# Altium PCB A540R260_Arm600Prototype.PcbDoc (part 2 of 2)
Units mil, origin at the board's own origin, x right, y up, seen from the top; angles counter-clockwise.
Board outline 6306 x 2370 mil, 4 copper layers (Top Layer, 5V, GND, Bottom Layer), stack 68.548 mil thick; 114 components, 208 nets, 616 pads, 195 vias.
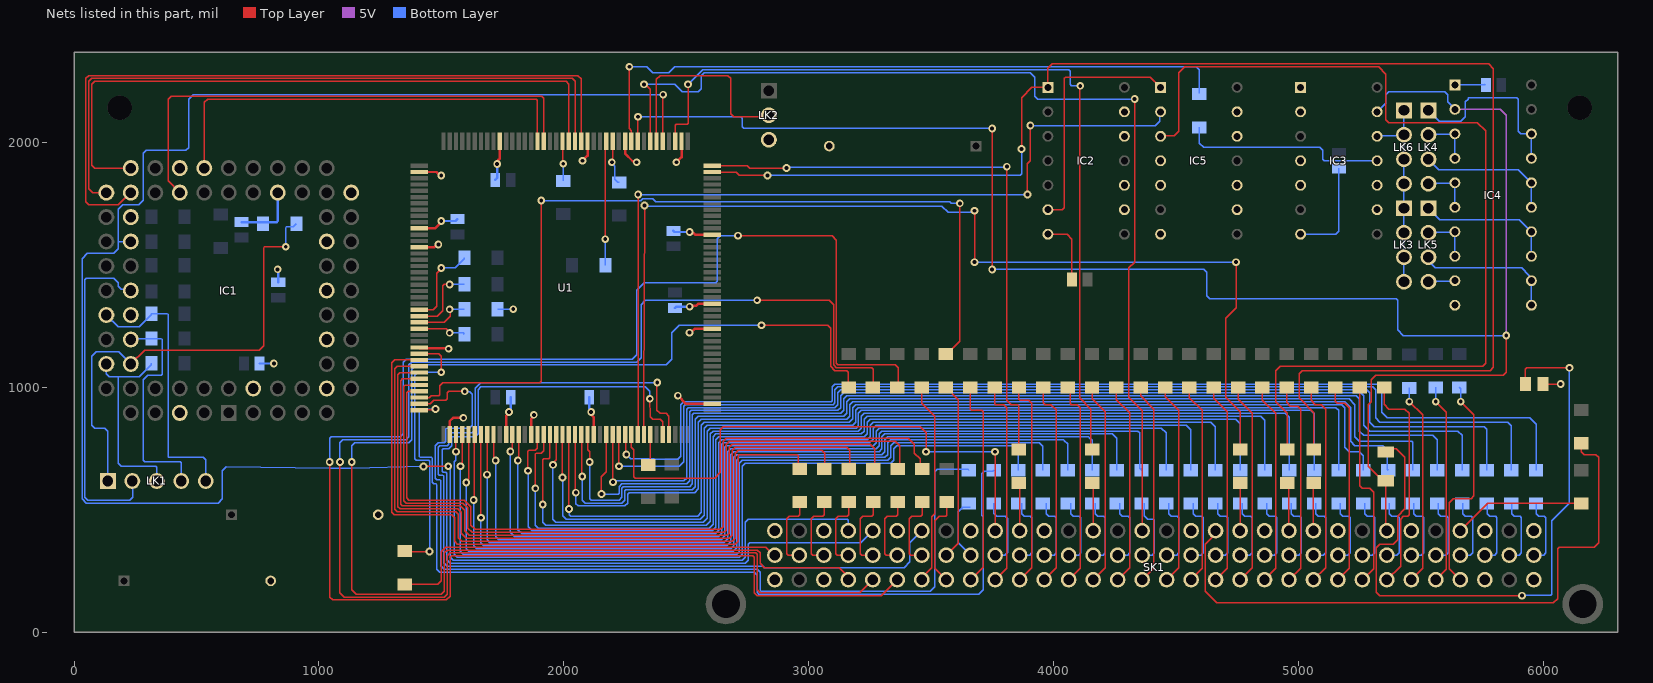
[diagram p4: the nets of this part, all layers, seen from the top]

## Via types
v1: diameter 31.5, hole 15.75, Top Layer to Bottom Layer, 195 vias

## Nets (pads, with @x,y where several pads share a name; then routed paths per layer and width w, separated by ;. In a path a pad name is that pad's centre, name@x,y a point inside that pad or via, vN(x,y) a via of type N, cw(c..) or ccw(c..) an arc to the next point about the centre after c; other vN are vias at no path point) (continued)
CpD30: IC1.37 U1.25 | length 1804.1
  Top Layer w6: IC1.37@532,1896 532,2164 546,2178 1887,2178 1892.64,2172.36 U1.25@1892.64,2005
CpD31: IC1.40 U1.24 | length 2121.3
  Top Layer w6: IC1.40@432,1796 384,1844 384,2178 396,2190 1910,2190 1918.23,2181.77 U1.24@1918.23,2005
CPe: R84.1 U1.21 | length 162.3
  Top Layer w6: U1.21@1995,2005 1996.5,2003.5 1996.5,1915.5 v1(1998,1914)
  Bottom Layer w6: R84.1@1998,1843.91 v1(1998,1914)
CPi: IC1.44 U1.19 | length 2757.6
  Top Layer w6: IC1.44@132,1796 76,1796 60,1812 60,2250 72,2262 2034,2262 2046.18,2249.82 U1.19@2046.18,2005
CPopc: IC1.43 U1.20 | length 2687.3
  Top Layer w6: IC1.43@232,1896 84,1896 72,1908 72,2238 84,2250 2010,2250 2020.59,2239.41 U1.20@2020.59,2005
CPspv: IC1.45 U1.18 | length 3003.4
  Top Layer w6: IC1.45@232,1796 230,1796 180,1746 60,1746 48,1758 48,2262 60,2274 2058,2274 2071.77,2260.23 U1.18@2071.77,2005
CPTCK: IC1.54 LK1.5 R75.1 | length 1125.2
  Bottom Layer w6: IC1.54@132,1296 180,1248 267.01,1248 316.09,1297.08 R75.1@316.09,1302 380.49,1302 384,1298.49 384,717.51 387.51,714 528,714 538,704 LK1.5@538,618
CPTDI: IC1.58 LK1.3 R73.1 | length 828.9
  Bottom Layer w6: IC1.58@132,1096 132,1056 144,1044 180,1044 ; R73.1@316.09,1098 316.09,1093.08 267.01,1044 180,1044 ; LK1.3@338,618 338,674 334,678 192,678 180,690 180,1044
CPTDO: IC1.53 LK1.2 | length 1379.8
  Bottom Layer w6: IC1.53@232,1396 226.49,1401.51 192,1401.51 180,1413.51 180,1428 162,1446 50.62,1446 44.62,1440 44.62,550.97 55.59,540 228,540 240,552 240,616 LK1.2@238,618
CPTMS: IC1.57 LK1.4 R74.1 | length 925.4
  Bottom Layer w6: IC1.57@232,1196 236,1200 R74.1@316.09,1200 356.49,1200 360,1196.49 360,1053.51 356.49,1050 300,1050 282,1032 282,702 288,696 434.49,696 438,692.49 LK1.4@438,618
CPTRST: IC1.59 LK1.1 R77.2 | length 1940.8
  Top Layer w6: IC1.59@232,1096 288,1152 756,1152 774,1170 774,1571.13 777.51,1574.64 v1(864.64,1574.64)
  Bottom Layer w6: LK1.1@138,618 138,822 126,834 84,834 72,846 72,1128 90,1146 182,1146 IC1.59@232,1096 ; v1@864,1578 864,1652.49 867.51,1656 895.91,1656 R77.2@907.91,1668
CPwt: R82.1 U1.14 | length 506.8
  Top Layer w6: v1(2169.83,1605.83) 2169.83,2000.69 U1.14@2174.13,2005
  Bottom Layer w6: R82.1@2169.83,1500 v1(2169.83,1605.83)
D0: R43.2 U1.71 | length 1150.9
  Top Layer w6: R43.2@1350,331.91 1351.91,330 v1(1452,330) ; U1.71@1409.37,1137.87 1490.13,1137.87 1500,1128 v1(1500,1062)
  Bottom Layer w6: v1(1452,330) 1452,698.49 1448.49,702 1398,702 1392,708 1392,1044 1392,1050 1404,1062 v1(1500,1062)
D1: R12.2 U1.72 | length 2911.7
  Top Layer w6: U1.72@1409.37,1112.28 1310.28,1112.28 1298.28,1100.28 1298.28,489.72 1308,480 1542,480 1554,468 1554,372 1566,360 2700,360 2712,372 2712,722.49 2715.51,726 2954.49,726 2958,722.49 2958,673.91 R12.2@2964,667.91
D2: R48.2 U1.73 | length 2970.6
  Top Layer w6: U1.73@1409.37,1086.69 1320.69,1086.69 1310.28,1076.28 1310.28,501.72 1320,492 1560,492 1569.51,482.49 1569.51,386.49 1584,372 2688,372 2700,384 2700,732 2712,744 3054,744 3066,732 R48.2@3066,667.91
D3: R16.2 U1.74 | length 3018
  Top Layer w6: U1.74@1409.37,1061.1 1331.1,1061.1 1322.28,1052.28 1322.28,513.72 1332,504 1567.76,504 1581.51,490.24 1581.51,404.49 1602,384 2676,384 2688,396 2688,744 2700,756 3156,756 3168,744 R16.2@3168,667.91
D4: R54.2 U1.75 | length 3069.8
  Top Layer w6: U1.75@1409.37,1035.51 1341.51,1035.51 1334.28,1028.28 1334.28,523.03 1337.8,519.51 1338,519.51 1341.51,516 1578,516 1596,498 1596,414 1614,396 2666.49,396 2676,405.51 2676,756 2688,768 3252,768 3270,750 R54.2@3270,667.91
D5: R20.2 U1.76 | length 3120.4
  Top Layer w6: U1.76@1409.37,1009.92 1351.92,1009.92 1346.28,1004.28 1346.28,537.72 1356,528 1587.94,528 1608,507.94 1608,426 1626,408 2654.49,408 2664,417.51 2664,768 2676,780 3354,780 3372,762 R20.2@3372,667.91
D6: R58.2 U1.77 | length 3138.5
  Top Layer w6: U1.77@1409.37,984.33 1364.94,984.33 1358.28,977.68 1358.28,549.72 1368,540 1592.91,540 1620,512.91 1620,438 1638,420 2640,420 2652,432 2652,780 2664,792 3408,792 3432,768 3432,732 3456,708 3456,685.91 R58.2@3474,667.91
D7: R25.2 U1.78 | length 3650.8
  Top Layer w6: U1.78@1409.37,958.74 1450.74,958.74 1458,966 1490.49,966 1494,969.51 1494,1008 1506,1020 1902,1020 1908,1026 v1(1908,1764) ; R25.2@3561.29,1135.91 3566.21,1135.91 3606,1175.71 3606,1176 3618.16,1188.16 3618.16,1751.84 v1(3618,1752)
  Bottom Layer w6: v1(1908,1764) 1908.75,1763.25 2315.25,1763.25 2322.79,1770.79 2363.21,1770.79 2376,1758 3576,1758 3582,1752 v1(3618,1752)
D8: R18.2 U1.79 | length 3828.7
  Top Layer w6: U1.79@1409.37,933.15 1455.15,933.15 1470,948 1518,948 1524,954 1524,978 1530,984 v1(1596,984)
  Bottom Layer w6: v1(1596,984) 1598.5,981.5 1616.5,981.5 1626,972 1626,846 1614,834 1521.51,834 1518,830.49 1518,780 1512,774 1488,774 1476,762 1476,630 1482,624 1493.87,624 1497.38,620.49 1497.38,272.62 1512,258 2790,258 2802,246 2802,171.51 2805.51,168 3498,168 3516,186 3516,655 3526,665 3651.91,665 R18.2@3655,661.91
D9: R31.2 U1.80 | length 3697
  Top Layer w6: U1.80@1409.37,907.56 1411.59,909.78 1473.78,909.78 v1(1476,912)
  Bottom Layer w6: v1(1476,912) 1422,912 1410,900 1410,717.51 1413.51,714 1460.49,714 1464,710.49 1464,612 1470,606 1478.49,606 1482,602.49 1482,258 1494,246 2778,246 2790,234 2790,163.03 2797.03,156 3696,156 3714,174 3714,472 3708,478 3708,648 3718,658 3751.8,658 R31.2@3755.71,661.91
D10: R22.2 U1.83 | length 3319
  Top Layer w6: v1(1560,738) U1.83@1559.96,808.15
  Bottom Layer w6: v1(1560,738) 1560,702.8 1553.25,696.05 1553.25,318.75 1566,306 2718,306 2730,318 2730,678 2742,690 3336,690 3348,702 3348,750 3360,762 3840,762 3856.42,745.58 R22.2@3856.42,661.91
D11: R37.2 U1.84 | length 3397.7
  Top Layer w6: v1(1578,678) 1578,684.9 1585.55,692.45 U1.84@1585.55,808.15
  Bottom Layer w6: v1(1578,678) 1577.25,677.25 1577.25,330.75 1590,318 2706,318 2718,330 2718,690 2730,702 3324,702 3336,714 3336,762 3348,774 3943,774 3957.13,759.87 R37.2@3957.13,661.91
D12: R27.2 U1.85 | length 3471.4
  Top Layer w6: v1(1602,612) 1602,618.9 1611.14,628.04 U1.85@1611.14,808.15
  Bottom Layer w6: v1(1602,612) 1602,342 1614,330 2690.49,330 2706,345.51 2706,702 2718,714 3312,714 3324,726 3324,774 3336,786 4042,786 4044.98,783.02 4057.84,770.16 R27.2@4057.84,661.91
D13: R42.2 U1.86 | length 3543.1
  Top Layer w6: v1(1632,540) 1634.37,542.37 1634.37,805.78 U1.86@1636.73,808.15
  Bottom Layer w6: v1(1632,540) 1632,354 1644,342 2682,342 2694,354 2694,714 2706,726 3300,726 3312,738 3312,786 3324,798 4144,798 4146.98,795.02 4158.55,783.45 R42.2@4158.55,661.91
D14: R33.2 U1.87 | length 3607.7
  Top Layer w6: v1(1662,468) 1662.16,468.16 1662.16,807.99 U1.87@1662.32,808.15
  Bottom Layer w6: v1(1662,468) 1662,366 1674,354 2666.49,354 2682,369.51 2682,726 2694,738 3288,738 3300,750 3300,798 3312,810 4241,810 4259.26,791.74 R33.2@4259.26,661.91
D15: R47.2 U1.88 | length 3686
  Top Layer w6: v1@1687.91,643.91 U1.88@1687.91,808.15
  Bottom Layer w6: v1(1687,644.07) 1687,377 1698,366 2654.49,366 2670,381.51 2670,738 2682,750 3276,750 3288,762 3288,810 3300,822 4345,822 4352,815 4352,669.89 R47.2@4359.97,661.91
D16: R39.2 U1.89 | length 3755.2
  Top Layer w6: U1.89@1713.5,808.15 1713.5,717.4 1722,708.9 v1(1722,702)
  Bottom Layer w6: v1(1722,702) 1722,390 1734,378 2642.49,378 2658,393.51 2658,756 2664,762 3264,762 3276,774 3276,822 3288,834 4441,834 4460.69,814.31 R39.2@4460.69,661.91
D17: R53.2 U1.92 | length 3791
  Top Layer w6: v1@1782,738 1790.28,746.28 U1.92@1790.28,808.15
  Bottom Layer w6: v1(1782.16,738.04) 1782.16,407.84 1800,390 2630.49,390 2646,405.51 2646,768 2652,774 3248.49,774 3264,789.51 3264,834 3276,846 4543,846 4561.4,827.6 R53.2@4561.4,661.91
D18: R44.2 U1.93 | length 3857.5
  Top Layer w6: v1@1812,702 1815.87,705.87 U1.93@1815.87,808.15
  Bottom Layer w6: v1(1812.69,701.77) 1812.69,419.31 1830,402 2618.49,402 2634,417.51 2634,774 2646,786 3240,786 3252,798 3252,846 3264,858 4643,858 4662.11,838.89 R44.2@4662.11,661.91
D19: R13.2 U1.96 | length 3946.5
  Top Layer w6: v1@1854,660 1854,739.03 1858.97,744 1884,744 1892.64,752.64 U1.96@1892.64,808.15
  Bottom Layer w6: v1(1854.16,660.04) 1854.16,431.84 1872,414 2606.49,414 2622,429.51 2622,786 2634,798 3228,798 3240,810 3240,858 3252,870 4745,870 4762.82,852.18 R13.2@4762.82,661.91
D20: R49.2 U1.97 | length 4017
  Top Layer w6: v1@1884,588 1884,728.49 1887.51,732 1908,732 1918.23,742.23 U1.97@1918.23,808.15
  Bottom Layer w6: v1(1884.16,588.04) 1884.16,437.84 1896,426 2594.49,426 2610,441.51 2610,798 2622,810 3216,810 3228,822 3228,870 3240,882 4847,882 4863.53,865.47 R49.2@4863.53,661.91
D21: R17.2 U1.98 | length 4086.7
  Top Layer w6: v1@1914,522 1914,704.49 1917.51,708 1938,708 1943.82,713.82 U1.98@1943.82,808.15
  Bottom Layer w6: v1(1914.16,522.04) 1914.16,449.84 1926,438 2582.49,438 2598,453.51 2598,810 2610,822 3204,822 3216,834 3216,883.03 3226.97,894 4948,894 4964.24,877.76 R17.2@4964.24,661.91
D22: R55.2 U1.99 | length 4129.4
  Top Layer w6: v1(1956,684) 1956,690.9 1969.41,704.31 U1.99@1969.41,808.15
  Bottom Layer w6: v1(1956,684) 1956,462 1968,450 2570.49,450 2586,465.51 2586,822 2598,834 3194.49,834 3204,843.51 3204,894 3216,906 5052,906 5064.95,893.05 R55.2@5064.95,661.91
D23: R21.2 U1.100 | length 4182.1
  Top Layer w6: v1@1995,633 U1.100@1995,808.15
  Bottom Layer w6: v1(1995.36,632.2) 1995.36,476.64 2010,462 2558.49,462 2574,477.51 2574,834 2586,846 3180,846 3192,858 3192,906 3204,918 5154,918 5165.66,906.34 R21.2@5165.66,661.91
D24: R59.2 U1.101 | length 4241.1
  Top Layer w6: U1.101@2020.59,808.15 2021.3,807.44 2021.3,504.7 v1(2022,504)
  Bottom Layer w6: v1(2022,504) 2022,480 2028,474 2546.49,474 2562,489.51 2562,846 2574,858 3165.94,858 3180,872.06 3180,918 3192,930 5178,930 5190,918 5190,756 5208,738 5250,738 5266.37,721.63 R59.2@5266.37,661.91
D25: R26.2 U1.102 | length 4233.2
  Top Layer w6: v1@2046.18,570.18 U1.102@2046.18,808.15
  Bottom Layer w6: v1(2049.52,570.43) 2049.52,524.91 2058.43,516 2250,516 2262,528 2262,564 2268,570 2534.49,570 2550,585.51 2550,858 2562,870 3156,870 3168,882 3168,930 3180,942 5190,942 5214,918 5214,780 5232,762 5346,762 5364,744 5364,665 R26.2@5367.08,661.91
D26: R62.2 U1.103 | length 4320.9
  Top Layer w6: U1.103@2071.77,808.15 2073.89,806.04 2073.89,638.11 v1(2076,636)
  Bottom Layer w6: v1(2076,636) 2076,540 2088,528 2238,528 2250,540 2250,578.49 2253.51,582 2526,582 2538,594 2538,870 2550,882 3144,882 3156,894 3156,942 3168,954 5208,954 5232,930 5232,798 5250,780 5464.28,780 5467.79,776.49 R62.2@5467.79,661.91
D27: R32.2 U1.104 | length 4397.2
  Top Layer w6: U1.104@2097.36,808.15 2097.36,746.64 2106,738 v1(2106,696)
  Bottom Layer w6: v1(2106,696) 2106,546 2112,540 2226,540 2238,552 2238,588 2244,594 2514,594 2526,606 2526,888 2532,894 3132,894 3144,906 3144,954 3156,966 5238,966 5250,954 5250,822 5268,804 5550,804 5568.5,785.5 R32.2@5568.5,661.91
D28: R23.2 U1.107 | length 4431.3
  Top Layer w6: v1(2154.16,564.75) 2154,564.91 2154,636 2174.13,656.13 U1.107@2174.13,808.15
  Bottom Layer w6: v1(2154.16,564.75) 2222.49,564.75 2226,568.26 2226,594 2238,606 2502,606 2514,618 2514,900 2520,906 3120,906 3132,918 3132,966 3144,978 5256,978 5268,966 5268,846 5292,822 5652,822 5669.21,804.79 R23.2@5669.21,661.91
D29: R38.2 U1.108 | length 4420.1
  Top Layer w6: U1.108@2199.72,808.15 2199.72,614.28 v1@2202,612
  Bottom Layer w6: v1(2201.03,613.18) 2205.85,618 2490,618 2502,630 2502,912 2508,918 3108,918 3120,930 3120,978 3132,990 5280,990 5292,978 5292,858 5310,840 5760,840 5769.92,830.08 R38.2@5769.92,661.91
D30: R28.2 U1.109 | length 4387.8
  Top Layer w6: U1.109@2225.32,808.15 2225.32,678.68 v1(2226,678)
  Bottom Layer w6: v1(2226,678) 2472,678 2490,696 2490,924 2496,930 3096,930 3100.97,930 3108,937.03 3108,942 3108,990 3120,1002 5304,1002 5316,990 5316,876 5334,858 5856,858 5870.64,843.36 R28.2@5870.64,661.91
D31: R34.2 U1.110 | length 4406.7
  Top Layer w6: U1.110@2250.91,808.15 2253.45,805.6 2253.45,728.55 v1(2256,726)
  Bottom Layer w6: v1(2256,726) 2274,708 2368.75,708 2369.5,707.25 2465.25,707.25 2478,720 2478,930 2490,942 3092.49,942 3096,945.51 3096,1002 3108,1014 5328,1014 5341,1001 5341,899 5364,876 5946,876 5971.35,850.65 R34.2@5971.35,661.91
Dbe: SK1.C23 U1.111 | length 2254.6
  Top Layer w6: U1.111@2276.5,808.15 2276.5,755.05 2286,745.54 2286,636 2292,630 2616,630 2640,654 2640,828 2652,840 3456,840 3480,816 v1(3480,737.25) ; v1(3762,737.25) 3762.2,737.05 3762.2,415.2 SK1.C23@3762.4,415
  Bottom Layer w6: v1(3480,737.25) v1(3762,737.25)
FCLK: R52.1 U1.10 | length 2757.4
  Top Layer w6: v1(2268,2310) 2268,2058 2276.5,2049.5 U1.10@2276.5,2005
  Bottom Layer w6: v1(2268,2310) 2340,2310 2364,2286 2430,2286 2454,2310 4584,2310 4596,2298 R52.1@4596,2202
FiqN: SK1.C26 U1.117 | length 3933.6
  Top Layer w6: v1(2382,1020) 2380.59,1018.59 2380.59,907.41 2394,894 2418,894 2430.04,881.96 U1.117@2430.04,808.15
  Bottom Layer w6: v1(2382,1020) 1662,1020 1638,996 1638,828 1626,816 1533.51,816 1530,812.49 1530,768 1524,762 1494,762 1488,756 1488,645.51 1491.51,642 1505.87,642 1509.38,638.49 1509.38,284.62 1524,270 2814,270 2820,264 3390,264 3414,288 3414,366.6 SK1.C26@3462.4,415
GND: C1.2 C2.2 C3.1 C4.1 C5.1 C6.2 C7.1 C8.2 C10.1 C11.1 C13.1 C14.1 C15.1 C16.1 C_FPA.1 Cz.1 IC1.4 IC1.11 IC1.15 IC1.19 IC1.23 IC1.26 IC1.32 IC1.39 IC1.47 IC1.55 IC1.65 IC2.7 IC2.9 IC2.10 IC2.12 IC2.13 IC3.1 IC3.2 IC3.4 IC3.5 IC3.7 IC3.9 IC3.10 IC4.1 IC4.10 IC5.4 IC5.5 IC5.7 IC5.9 IC5.10 IC5.12 IC5.13 LK2.3 R69.1 R77.1 SK1.A1 SK1.A3 SK1.A30 SK1.A32 SK1.C1 SK1.C3 SK1.C6 SK1.C9 SK1.C12 SK1.C15 SK1.C21 SK1.C24 SK1.C27 SK1.C30 SK1.C32 U1.2 U1.11 U1.17 U1.31 U1.42 U1.51 U1.54 U1.70 U1.82 U1.91 U1.95 U1.105 U1.122 U1.134 U1.138 U1.149 | length 3355.9
  Top Layer w6: IC2.7@3977.7,1626 4056,1626 4075.89,1606.11 Cz.1@4075.89,1440.41 ; C6.2@5999.43,1014 v1(6072,1014)
  Top Layer w10: U1.70@1409.37,1163.46 1412.1,1160.73 1527.27,1160.73 v1(1530,1158) ; U1.54@1409.37,1572.91 1409.95,1573.49 1471.68,1573.49 1482.18,1584 v1(1488,1584) ; U1.51@1409.37,1649.68 1473.76,1649.68 1498.07,1674 v1@1500,1674 ; U1.42@1409.37,1880 1480.18,1880 1494.18,1866 v1(1500,1866) ; U1.82@1534.37,808.15 1534.37,862.37 1548,876 v1(1590,876) ; v1(1728.14,1913.15) 1732.25,1917.26 1732.25,1928.51 1739.09,1935.35 U1.31@1739.09,2005 ; U1.91@1764.69,808.15 1764.69,882.73 1776.14,894.18 v1(1776.14,900) ; U1.95@1867.05,808.15 1867.05,871.23 1878,882.18 v1(1878,888) ; v1@2076,1926 2097.36,1947.36 U1.17@2097.36,2005 ; v1(2112,900) 2116.11,895.89 2116.11,884.64 2122.95,877.8 U1.105@2122.95,808.15 ; U1.11@2250.91,2005 2250.91,1955.09 2281.89,1924.11 2293.89,1924.11 v1(2298,1920) ; v1(2460,1920) 2481.22,1941.22 U1.2@2481.22,2005 ; v1(2466.18,966.68) 2499.71,933.15 U1.122@2606.22,933.15 ; v1(2514,1224) 2519.82,1224 2536.05,1240.24 U1.134@2606.22,1240.24 ; v1(2514.37,1330.15) 2518.48,1334.26 2541.78,1334.26 2550.12,1342.6 U1.138@2606.22,1342.6 ; v1(2514.37,1635.05) 2518.48,1630.93 2529.73,1630.93 2536.57,1624.09 U1.149@2606.22,1624.09
  Bottom Layer w6: R69.1@1729.91,1320 v1(1794,1320) ; IC3.7@5009.7,1626 5154,1626 5166,1638 C15.1@5166,1894.5 ; IC4.1@5640,2236 5762.5,2236 C10.1@5764.5,2238
  Bottom Layer w10: C14.1@684,1674 826.14,1674 832,1679.86 IC1.32@832,1796 ; C_FPA.1@757.5,1098 v1(816,1098) ; C11.1@834,1429.5 v1@834,1482 ; v1(1500,1680) 1558.5,1680 C4.1@1566,1687.5 ; C16.1@1720.5,1848 1728.14,1855.64 v1(1728.14,1913.15) ; v1(1776.14,900) 1776.14,905.82 1783.5,913.17 C5.1@1783.5,960 ; C3.1@2104.5,960 2104.5,913.31 2112,905.82 v1(2112,900) ; C13.1@2448,1639.5 2452.45,1635.05 v1(2514.37,1635.05) ; C7.1@2454,1324.5 2459.65,1330.15 v1(2514.37,1330.15)
  other v1: 831.61,1482.48 2076.96,1926.27
IrqN: SK1.C28 U1.116 | length 3604.7
  Top Layer w6: v1(2352,954) 2353.76,880.24 2364,870 2394,870 2404.45,859.55 U1.116@2404.45,808.15
  Bottom Layer w6: v1(2352,954) 2352,984 2334,1002 1662,1002 1650,990 1650,810 1638,798 1545.51,798 1542,794.49 1542,762 1530,750 1507.27,750 1503.76,746.49 1503.76,657.51 1507.27,654 1517.87,654 1521.38,650.49 1521.38,296.62 1536,282 2742,282 2754,294 2754,360 2760,366 3213.4,366 SK1.C28@3262.4,415
ixSEQ: IC5.3 R40.2 | length 3966.6
  Top Layer w6: IC5.3@4437.7,2026 4439.7,2028 4494,2028 4512,2046 4512,2286 4536,2310 5328,2310 5358,2280 5358,2094 5370,2082 5732.28,2082 5766,2048.28 5766,1098 5754,1086 4926,1086 4908,1068 4908,942 4956,894 R40.2@4956,745.91
LOCK: R63.2 U1.3 | length 3475.1
  Top Layer w6: U1.3@2455.63,2005 2455.63,2071.63 2460,2076 2504.49,2076 2508,2079.51 v1(2508,2238) ; v1(4110,2232) 4106.92,2228.92 4106.92,957.08 4152,912 4152,751.91 R63.2@4158,745.91
  Bottom Layer w6: v1(2508,2238) 2568,2298 4062,2298 4068,2292 4068,2238 4074,2232 v1(4110,2232)
Mclk: IC3.13 IC4.2 R2.1 SK1.C7 U1.9 | length 7418.3
  Top Layer w6: U1.9@2302.09,2005 2303.04,2005.96 2303.04,2105.79 v1(2303.25,2106) ; v1(3750,1482) v1(3750,2058) ; SK1.C7@5362.4,415 5358,419.4 R2.1@5358,618.94 5338.36,638.58 5325.42,638.58 5286,678 5286,930 5298,942 5298,1032 5316,1050 5838,1050 5850,1062 v1(5850,1212)
  5V w6: IC4.2@5640,2136 5826,2136 5850,2112 v1(5850,1212)
  Bottom Layer w6: v1(2303.25,2106) 2724,2106 2730,2100 2730,2064 2736,2058 v1(3750,2058) ; v1(3750,1482) 4614,1482 4626,1470 4626,1374 4638,1362 5400,1362 5406,1356 5406,1236 5430,1212 v1(5850,1212) ; IC3.13@5322.3,2126 5358,2161.7 5358,2196 5370,2208 5598,2208 5610,2196 5610,2166 IC4.2@5640,2136
MSE: R76.1 U1.114 | length 130.7
  Top Layer w6: R76.1@2352,678 2353.27,679.27 U1.114@2353.27,808.15
nBW: R60.2 U1.160 | length 2401.7
  Top Layer w6: U1.160@2606.22,1905.59 2750.41,1905.59 2760,1896 v1(2910,1896) ; v1(3810,1902) 3810,948 3828,930 3854.49,930 3858,926.49 R60.2@3858,745.91
  Bottom Layer w6: v1(2910,1896) 2913,1899 3807,1899 v1(3810,1902)
NetC6_1: C6.1 R2.2 | length 2650.2
  Top Layer w6: R2.2@5358,737.06 5370.94,750 5400,750 5436,714 5436,504 5406,474 5406,378 5388,360 5334,360 5319.65,345.65 5319.65,164.35 5334,150 v1@5911.2,150 ; C6.1@5928.57,1014 5928,1014.57 5928,1074 5934,1080 v1(6108,1080)
  Bottom Layer w6: v1@5910,151.52 6032.49,151.52 6036,155.03 6036,456 6108,528 v1(6108,1080)
  other v1: 5914.01,149.86
NetIC3_12: IC3.12 LK3.1 LK3.2 LK3.3 LK3.4 LK6.1 LK6.2 LK6.3 LK6.4 | length 812.2
  Bottom Layer w6: IC3.12@5322.3,2026 5325.3,2029 5429,2029 LK6.2@5432,2032 ; LK3.4@5432,1432 LK3.3@5432,1532 LK3.2@5432,1632 LK3.1@5432,1732 LK6.4@5432,1832 LK6.3@5432,1932 LK6.2@5432,2032 ; LK6.1@5432,2132 LK6.2@5432,2032
NetIC4_3: IC4.3 IC4.4 LK4.2 | length 209.7
  Bottom Layer w6: LK4.2@5532,2032 5534,2034 5638,2034 IC4.3@5640,2036 IC4.4@5640,1936
NetIC4_5: IC4.5 IC4.6 LK4.4 | length 209.7
  Bottom Layer w6: LK4.4@5532,1832 5534,1834 5638,1834 IC4.5@5640,1836 IC4.6@5640,1736
NetIC4_7: IC4.7 IC4.8 LK5.2 | length 209.7
  Bottom Layer w6: LK5.2@5532,1632 5534,1634 5638,1634 IC4.7@5640,1636 IC4.8@5640,1536
NetIC4_9: IC4.9 LK5.4 | length 109.7
  Bottom Layer w6: LK5.4@5532,1432 5534,1434 5638,1434 IC4.9@5640,1436
NetIC4_11: IC4.11 IC4.12 LK5.3 | length 577
  Bottom Layer w6: LK5.3@5532,1532 5532,1516.05 5547.09,1500.96 5547.09,1500.43 5559.51,1488 5912.49,1488 5942.45,1458.04 5942.45,1456.56 5952.6,1446.41 IC4.11@5952.6,1336
NetIC4_13: IC4.13 IC4.14 LK5.1 | length 560.4
  Bottom Layer w6: LK5.1@5532,1732 5578,1686 5902.6,1686 IC4.14@5952.6,1636 IC4.13@5952.6,1536
NetIC4_15: IC4.15 IC4.16 LK4.3 | length 560.4
  Bottom Layer w6: LK4.3@5532,1932 5574,1890 5898.6,1890 IC4.16@5952.6,1836 IC4.15@5952.6,1736
NetIC4_17: IC4.17 IC4.18 LK4.1 | length 753.8
  Bottom Layer w6: LK4.1@5532,2132 5576,2088 5664,2088 5682,2106 5682,2166 5694,2178 5694,2180.49 5697.51,2184 5892,2184 5898,2178 5898,2046 5908,2036 IC4.18@5952.6,2036 IC4.17@5952.6,1936
nHW: R1.1 SK1.C4 | length 515.6
  Top Layer w6: SK1.C4@5662.4,415 5773.49,526.09 R1.1@6132,526.09
nMREQ: R50.2 U1.113 | length 4383.5
  Top Layer w6: U1.113@2327.68,808.15 2327.25,840.58 2327.25,953.91 cw(c2352,954) 2327.25,954.1 v1(2330.35,1743.65) ; v1(3678,1512) 3678.08,1512.08 v1(3678.08,1721.96) ; v1(4746,1512) 4746,1325.55 4704,1283.55 4704,960 4764,900 R50.2@4764,745.91
  Bottom Layer w6: v1(2330.35,1743.65) 2332.88,1741.12 3544.97,1741.12 3570.08,1716 3661.9,1716 3663.07,1717.16 3673.29,1717.16 v1(3678.08,1721.96) ; v1(3678,1512) v1(4746,1512)
nRESET: IC1.49 SK1.C29 U1.5 | length 8035.3
  Top Layer w6: v1(1427.25,677.25) 1427.63,677.63 1528.13,677.63 v1(1528.5,678) ; U1.5@2404.45,2005 2405.22,2005.78 2405.22,2195.22 v1(2406,2196)
  Bottom Layer w6: IC1.49@232,1596 180,1596 ; v1(1427.25,677.25) 1134.57,670.51 cw(c1134,695.25) 1134,670.5 1044,670.5 cw(c1044,695.25) 1043.7,670.51 621.63,675.63 606,660 606,546 588,528 50.62,528 32.62,546 32.62,1526.62 54,1548 162,1548 180,1566 180,1596 ; v1(1528.5,678) 1528.5,671.1 1536,663.6 1536,306 1548,294 2730,294 2742,306 2742,450 2754,462 3158.89,462 3162.4,458.49 SK1.C29@3162.4,415 ; v1(2406,2196) 486,2196 468,2178 468,1980 456,1968 294,1968 282,1956 282,1764 264,1746 198,1746 180,1728 180,1596
nRW: IC2.1 R56.2 U1.159 | length 5982.5
  Top Layer w6: U1.159@2606.22,1880 2704,1880 2718,1866 v1(2832,1866) ; v1(3870,1974) 3870,2184 3912,2226 IC2.1@3977.7,2226 3977.7,2303.7 3996,2322 5778,2322 5797.66,2302.34 5797.66,1081.66 5784,1068 5016,1068 5004,1056 5004,957.51 5007.51,954 5064,897.51 R56.2@5064,745.91
  Bottom Layer w6: v1(2832,1866) 3864,1866 3870,1872 v1(3870,1974)
nTEST: R85.1 U1.13 | length 183.7
  Top Layer w6: v1@2196,1920 2199.72,1923.72 U1.13@2199.72,2005
  Bottom Layer w6: v1(2196.67,1920.06) 2196.67,1915.13 2208,1903.79 2208,1850.99 2221.08,1837.91 R85.1@2226,1837.91
nTRST: R69.2 U1.66 | length 227
  Top Layer w6: U1.66@1409.37,1265.83 1511.83,1265.83 1536,1290 v1@1536,1320
  Bottom Layer w6: v1(1534.2,1318.97) 1593.05,1318.97 R69.2@1594.09,1320
nVIDC_Write_maybe: IC2.6 IC5.1 | length 1011.2
  Top Layer w6: IC2.6@3977.7,1726 4036,1726 4044,1734 4044,2262 4050,2268 4395.7,2268 IC5.1@4437.7,2226
nWAIT: SK1.C17 U1.7 | length 4213.2
  Top Layer w6: v1(2328,2238) 2332.77,2238 2344.63,2226.14 2345.86,2226.14 2353.27,2218.73 U1.7@2353.27,2005 ; v1(4332,2178) 4332,1512 4308,1488 4308,960 4362.4,905.6 SK1.C17@4362.4,415
  Bottom Layer w6: v1(2328,2238) 2454,2238 2484,2208 2550,2208 2562,2220 2562,2274 2574,2286 3906,2286 3924,2268 3924,2190 3936,2178 v1(4332,2178)
SEQ: IC5.2 U1.112 | length 3432.6
  Top Layer w6: U1.112@2302.09,808.15 2304,810.06 v1(2304,1788) ; v1(3894,1788) 3894,1914 3906,1926 v1(3906,2070)
  Bottom Layer w6: v1(2304,1788) v1(3894,1788) ; v1(3906,2070) 4416,2070 4434,2088 4434,2122.3 IC5.2@4437.7,2126
SNA: LK2.2 U1.6 | length 883.5
  Top Layer w6: U1.6@2378.86,2005 2378.86,2258.86 2394,2274 2670,2274 2682,2262 2682,2118 2694,2106 LK2.2@2848.24,2106
TCK: R45.2 U1.64 | length 356.4
  Top Layer w6: U1.64@1409.37,1317.01 1466.49,1317.01 1482,1332.52 1482,1466.76 1500,1484.76 v1(1500,1488)
  Bottom Layer w6: v1(1500,1488) 1557.01,1488 1594.09,1525.08 R45.2@1594.09,1530
TDI: R68.2 U1.67 | length 195.3
  Top Layer w6: U1.67@1409.37,1240.24 1519.76,1240.24 v1@1536,1224
  Bottom Layer w6: v1(1534.2,1222.97) 1589.12,1222.97 R68.2@1594.09,1218
TMS: R83.2 U1.65 | length 300.8
  Top Layer w6: U1.65@1409.37,1291.42 1483.42,1291.42 1506,1314 1506,1416 1512,1422 v1@1536,1422
  Bottom Layer w6: v1(1534.2,1420.97) 1593.05,1420.97 R83.2@1594.09,1422
xA0: R_A0.1 SK1.A4 | length 911.8
  Top Layer w6: SK1.A4@5662.4,215 5617.2,260.2 5617.2,529.2 5634,546 5706,546 5717.06,557.06 5717.06,888.94 v1(5664,942)
  Bottom Layer w6: R_A0.1@5658,1000.09 5664,994.09 v1(5664,942)
xA1: R65.1 SK1.A5 | length 820.6
  Top Layer w6: v1(5562,942) 5605.1,898.9 5605.1,257.7 SK1.A5@5562.4,215
  Bottom Layer w6: v1(5562,942) R65.1@5562,1000.09
xA2: R8.1 SK1.A6 | length 824.4
  Top Layer w6: v1(5454,942) 5508,888 5508,260.6 SK1.A6@5462.4,215
  Bottom Layer w6: v1(5454,942) R8.1@5454,998.17
xA3: R29.1 SK1.A7 | length 914.9
  Top Layer w6: R29.1@5351,1000.09 5351,931 5370,912 5436,912 5454,894 5454,480 5448,474 5430,474 5418,462 5418,270.6 SK1.A7@5362.4,215
xA4: R10.1 SK1.A8 | length 844.6
  Top Layer w6: R10.1@5251.57,1000.09 5251.57,598.43 5262,588 5292,588 5307.65,572.35 5307.65,260.25 SK1.A8@5262.4,215
xA5: R35.1 SK1.A9 | length 844.7
  Top Layer w6: R35.1@5152.14,1000.09 5152.14,943.86 5160,936 5190,936 5208,918 5208,260.6 SK1.A9@5162.4,215
xA6: R14.1 SK1.A10 | length 844.2
  Top Layer w6: R14.1@5052.71,1000.09 5052.71,947.29 5070,930 5094,930 5112,912 5112,264.6 SK1.A10@5062.4,215
xA7: R41.1 SK1.A11 | length 845.9
  Top Layer w6: R41.1@4953.28,1000.09 4953.28,954.24 4953.28,950.72 4953.28,938.72 4968,924 4998,924 5010,912 5010,262.6 SK1.A11@4962.4,215
xA8: Rx9.1 SK1.A12 | length 826.4
  Top Layer w6: Rx9.1@4853.86,1000.09 4853.86,948.14 4908,894 4908,260.6 SK1.A12@4862.4,215
xA9: R46.1 SK1.A13 | length 829.5
  Top Layer w6: R46.1@4754.43,1000.09 4754.43,951.57 4812,894 4812,264.6 SK1.A13@4762.4,215
xA10: R24.1 SK1.A14 | length 827.6
  Top Layer w6: R24.1@4655,1000.09 4655,955 4710,900 4710,262.6 SK1.A14@4662.4,215
xA11: R5z.1 SK1.A15 | length 825.7
  Top Layer w6: R5z.1@4555.57,1000.09 4555.57,958.43 4608,906 4608,260.6 SK1.A15@4562.4,215
xA12: R30.1 SK1.A16 | length 828.8
  Top Layer w6: R30.1@4456.14,1000.09 4456.14,961.86 4512,906 4512,264.6 SK1.A16@4462.4,215
xA13: R57.1 SK1.A17 | length 826.9
  Top Layer w6: R57.1@4356.71,1000.09 4356.71,965.29 4410,912 4410,262.6 SK1.A17@4362.4,215
xA14: R36.1 SK1.A18 | length 827.6
  Top Layer w6: R36.1@4257.28,1000.09 4257.28,950.71 4311.16,896.84 4311.16,263.76 SK1.A18@4262.4,215
xA15: R61.1 SK1.A19 | length 828.1
  Top Layer w6: R61.1@4157.86,1000.09 4157.86,954.14 4212,900 4212,264.6 SK1.A19@4162.4,215
xA16: R5.1 SK1.A20 | length 840.2
  Top Layer w6: R5.1@4058.43,1000.09 4068,990.51 4068,936 4074,930 4098,930 4110,918 4110,262.6 SK1.A20@4062.4,215
xA17: R64.1 SK1.A21 | length 841.4
  Top Layer w6: R64.1@3959,1000.09 3959,937 3966,930 3990,930 4011.75,908.25 4011.75,264.35 SK1.A21@3962.4,215
xA18: R7.1 SK1.A22 | length 848.4
  Top Layer w6: R7.1@3859.57,1000.09 3859.57,952.43 3864,948 3900,948 3912,936 3912,264.6 SK1.A22@3862.4,215
xA19: R66.1 SK1.A23 | length 845.6
  Top Layer w6: R66.1@3760.14,1000.09 3760.14,933.51 3763.66,930 3798,930 3810,918 3810,262.6 SK1.A23@3762.4,215
xA20: R9.1 SK1.A24 | length 853.7
  Top Layer w6: R9.1@3660.71,1000.09 3660,999.37 3660,912 3666,906 3708,906 3714,900 3714,266.6 SK1.A24@3662.4,215
xA21: R67.1 SK1.A25 | length 371.7
  Top Layer w6: SK1.A25@3562.4,215 3516,261.4 3516,456 3534,474 3560.49,474 3564,477.51 R67.1@3564,532.09
xA22: R11.1 SK1.A26 | length 829.7
  Top Layer w6: R11.1@3461.86,1000.09 3462,999.94 3462,936 3516,882 3516,484.97 3504,472.97 3504,264 3462.4,222.4 SK1.A26@3462.4,215
xA23: R3.1 SK1.A27 | length 7011.2
  Top Layer w6: v1(1044,695.25) 1044,144 1056,132 1520.49,132 1536,147.51 1536,306 1542,312 2772,312 2778,306 2778,162 2790,150 3297.4,150 SK1.A27@3362.4,215 ; v1(2712,1620) 3096,1620 3114,1602 3114,1098 3120,1092 3354,1092 3366,1080 3366,1003.66 R3.1@3362.43,1000.09
  Bottom Layer w6: v1(1044,695.25) 1044,792 1050,798 1332,798 1344,810 1344,1104 1356,1116 2280,1116 2298,1134 2298,1398 2328,1428 2622,1428 2628,1434 2628,1608 2640,1620 v1(2712,1620)
xA24: R15.1 SK1.A28 | length 6188.3
  Top Layer w6: v1(1086,695.25) 1086,162 1104,144 1512,144 1524,156 1524,312 1536,324 2784,324 2790,318 2790,174 2802,162 3209.4,162 SK1.A28@3262.4,215 ; v1(2790,1356) 3084,1356 3102,1338 3102,1092 3114,1080 3258,1080 3264,1074 3264,1001.09 R15.1@3263,1000.09
  Bottom Layer w6: v1(1086,695.25) 1086,774 1098,786 1356,786 1368,798 1368,1092 1380,1104 2298,1104 2316,1122 2316,1338 2334,1356 v1(2790,1356)
xA25: R4.1 SK1.A29 | length 5569.7
  Top Layer w6: v1(1134,695.25) 1134,174 1152,156 1500,156 1512,168 1512,324 1524,336 2790,336 2802,324 2802,282 2820,264 3126,264 3162.4,227.6 SK1.A29@3162.4,215 ; v1(2808,1254) 3078,1254 3090,1242 3090,1086 3108,1068 3156,1068 3162,1062 3162,1003.09 R4.1@3165,1000.09
  Bottom Layer w6: v1(1134,695.25) 1134,762 1146,774 1368,774 1380,786 1380,1074 1398,1092 2418,1092 2442,1116 2442,1224 2472,1254 v1(2808,1254)
xD0: R43.1 SK1.B32 | length 1659.3
  Top Layer w6: R43.1@1350,196.09 1486.09,196.09 1500,210 1500,330 1518,348 2825.57,348 2858.57,315 SK1.B32@2862.4,315
xD1: R12.1 SK1.B31 | length 308.3
  Top Layer w6: SK1.B31@2962.4,315 2916.51,315 2910.98,320.54 2910.98,462.98 2922,474 2958,474 2964,480 R12.1@2964,532.09
xD2: R48.1 SK1.B30 | length 308.3
  Top Layer w6: SK1.B30@3062.4,315 3016.51,315 3010.98,320.54 3010.98,462.98 3022,474 3058,474 3064,480 R48.1@3064,532.09
xD3: R16.1 SK1.B29 | length 308.3
  Top Layer w6: SK1.B29@3162.4,315 3116.51,315 3110.98,320.54 3110.98,462.98 3122,474 3158,474 3164,480 R16.1@3164,532.09
xD4: R54.1 SK1.B28 | length 308.3
  Top Layer w6: SK1.B28@3262.4,315 3216.51,315 3210.98,320.54 3210.98,462.98 3222,474 3258,474 3264,480 R54.1@3264,532.09
xD5: R20.1 SK1.B27 | length 308.3
  Top Layer w6: SK1.B27@3362.4,315 3316.51,315 3310.98,320.54 3310.98,462.98 3322,474 3358,474 3364,480 R20.1@3364,532.09
xD6: R58.1 SK1.B26 | length 308.3
  Top Layer w6: SK1.B26@3462.4,315 3416.51,315 3410.98,320.54 3410.98,462.98 3422,474 3458,474 3464,480 R58.1@3464,532.09
xD7: R25.1 SK1.B25 | length 729.5
  Top Layer w6: R25.1@3561.29,1000.09 3566.21,1000.09 3587.81,978.48 3587.81,973.56 3612,949.37 3612,364.6 SK1.B25@3562.4,315
xD8: R18.1 SK1.B24 | length 253.3
  Bottom Layer w6: R18.1@3660,510 3630,510 3612,492 3612,365.4 SK1.B24@3662.4,315
xD9: R31.1 SK1.B23 | length 299.8
  Bottom Layer w6: R31.1@3755.71,526.09 3755.71,486.29 3768,474 3804,474 3813.4,464.6 3813.4,327.4 3801,315 SK1.B23@3762.4,315
xD10: R22.1 SK1.B22 | length 286.3
  Bottom Layer w6: SK1.B22@3862.4,315 3903,315 3912,324 3912,468 3906,474 3882,474 3871.35,484.65 R22.1@3871.35,526.09
xD11: R37.1 SK1.B21 | length 286.3
  Bottom Layer w6: SK1.B21@3962.4,315 4003,315 4012,324 4012,468 4006,474 3982,474 3971.35,484.65 R37.1@3971.35,526.09
xD12: R27.1 SK1.B20 | length 286.3
  Bottom Layer w6: SK1.B20@4062.4,315 4103,315 4112,324 4112,468 4106,474 4082,474 4071.35,484.65 R27.1@4071.35,526.09
xD13: R42.1 SK1.B19 | length 286.3
  Bottom Layer w6: SK1.B19@4162.4,315 4203,315 4212,324 4212,468 4206,474 4182,474 4171.35,484.65 R42.1@4171.35,526.09
xD14: R33.1 SK1.B18 | length 286.3
  Bottom Layer w6: SK1.B18@4262.4,315 4303,315 4312,324 4312,468 4306,474 4282,474 4271.35,484.65 R33.1@4271.35,526.09
xD15: R47.1 SK1.B17 | length 285.4
  Bottom Layer w6: SK1.B17@4362.4,315 4403,315 4412,324 4412,458.49 4408.49,462 4386,462 4371.35,476.65 R47.1@4371.35,526.09
xD16: R39.1 SK1.B16 | length 286.3
  Bottom Layer w6: SK1.B16@4462.4,315 4503,315 4512,324 4512,468 4506,474 4482,474 4471.35,484.65 R39.1@4471.35,526.09
xD17: R53.1 SK1.B15 | length 286.3
  Bottom Layer w6: SK1.B15@4562.4,315 4603,315 4612,324 4612,468 4606,474 4582,474 4571.35,484.65 R53.1@4571.35,526.09
xD18: R44.1 SK1.B14 | length 286.3
  Bottom Layer w6: SK1.B14@4662.4,315 4703,315 4712,324 4712,468 4706,474 4682,474 4671.35,484.65 R44.1@4671.35,526.09
xD19: R13.1 SK1.B13 | length 286.3
  Bottom Layer w6: SK1.B13@4762.4,315 4803,315 4812,324 4812,468 4806,474 4782,474 4771.35,484.65 R13.1@4771.35,526.09
xD20: R49.1 SK1.B12 | length 286.3
  Bottom Layer w6: SK1.B12@4862.4,315 4903,315 4912,324 4912,468 4906,474 4882,474 4871.35,484.65 R49.1@4871.35,526.09
xD21: R17.1 SK1.B11 | length 286.3
  Bottom Layer w6: SK1.B11@4962.4,315 5003,315 5012,324 5012,468 5006,474 4982,474 4971.35,484.65 R17.1@4971.35,526.09
xD22: R55.1 SK1.B10 | length 286.3
  Bottom Layer w6: SK1.B10@5062.4,315 5103,315 5112,324 5112,468 5106,474 5082,474 5071.35,484.65 R55.1@5071.35,526.09
xD23: R21.1 SK1.B9 | length 286.3
  Bottom Layer w6: SK1.B9@5162.4,315 5203,315 5212,324 5212,468 5206,474 5182,474 5171.35,484.65 R21.1@5171.35,526.09
xD24: R59.1 SK1.B8 | length 286.3
  Bottom Layer w6: SK1.B8@5262.4,315 5303,315 5312,324 5312,468 5306,474 5282,474 5271.35,484.65 R59.1@5271.35,526.09
xD25: R26.1 SK1.B7 | length 286.3
  Bottom Layer w6: SK1.B7@5362.4,315 5403,315 5412,324 5412,468 5406,474 5382,474 5371.35,484.65 R26.1@5371.35,526.09
xD26: R62.1 SK1.B6 | length 286.3
  Bottom Layer w6: SK1.B6@5462.4,315 5503,315 5512,324 5512,468 5506,474 5482,474 5471.35,484.65 R62.1@5471.35,526.09
xD27: R32.1 SK1.B5 | length 286.3
  Bottom Layer w6: SK1.B5@5562.4,315 5603,315 5612,324 5612,468 5606,474 5582,474 5571.35,484.65 R32.1@5571.35,526.09
xD28: R23.1 SK1.B4 | length 286.3
  Bottom Layer w6: SK1.B4@5662.4,315 5703,315 5712,324 5712,468 5706,474 5682,474 5671.35,484.65 R23.1@5671.35,526.09
xD29: R38.1 SK1.B3 | length 286.3
  Bottom Layer w6: SK1.B3@5762.4,315 5803,315 5812,324 5812,468 5806,474 5782,474 5771.35,484.65 R38.1@5771.35,526.09
xD30: R28.1 SK1.B2 | length 286.3
  Bottom Layer w6: SK1.B2@5862.4,315 5903,315 5912,324 5912,468 5906,474 5882,474 5871.35,484.65 R28.1@5871.35,526.09
xD31: R34.1 SK1.B1 | length 286.3
  Bottom Layer w6: SK1.B1@5962.4,315 6003,315 6012,324 6012,468 6006,474 5982,474 5971.35,484.65 R34.1@5971.35,526.09
xFCLK: IC3.11 R52.2 | length 841.3
  Bottom Layer w6: R52.2@4596,2062.09 4596,1998 4613.49,1980.51 5087.49,1980.51 5100,1968 5100,1932 5106,1926 IC3.11@5322.3,1926
xLock: R63.1 SK1.C19 | length 196.9
  Top Layer w6: R63.1@4158,610.09 4162.4,605.68 SK1.C19@4162.4,415
xMreqN: R50.1 SK1.C13 | length 195.7
  Top Layer w6: SK1.C13@4764,416.6 R50.1@4764,610.09
  Top Layer w10: SK1.C13@4762.4,415 SK1.C13@4764,416.6
xnBW: R60.1 SK1.C22 | length 196.9
  Top Layer w6: R60.1@3858,610.09 3862.4,605.68 SK1.C22@3862.4,415
xnRW: R56.1 SK1.C10 | length 195.7
  Top Layer w6: SK1.C10@5062.4,415 R56.1@5062.4,608.49
  Top Layer w10: R56.1@5062.4,608.49 R56.1@5064,610.09
xSeq: R40.1 SK1.C11 | length 197.7
  Top Layer w6: SK1.C11@4962.4,415 R40.1@4962.4,603.68
  Top Layer w10: R40.1@4956,610.09 R40.1@4962.4,603.68
xSpvmd: R78.1 SK1.C14 | length 2577.9
  Top Layer w6: SK1.C14@4662.4,415 4662.4,402.4 4620,360 4620,168 4668,120 6042,120 6060,138 6060,342 6066,348 6210,348 6228,366 6228,714 6216,726 6168,726 6156,738 R78.1@6156,772.09
pads on no net: IC1.60 IC2.3 IC2.8 IC2.11 IC3.3 IC3.6 IC3.8 IC5.6 IC5.8 IC5.11 SK1.C5 SK1.C18 SK1.MH1 SK1.MH2 U1.68 U1.152 U1.153 U1.154 U1.155 U1.156 U1.157

## Polygon pours and split planes (outlines as drawn)
CBE on 5V "NONET_L-01_P-001" (solid, pour order 0): 0,0 6306,0 6306,2370 0,2370
GND on GND "NONET_L-01_P-001" (solid, pour order 1): 0,0 6306,0 6306,2370 0,2370

## Keep-outs
Keep-Out Layer:
  the board outline again, w47.24

## Silkscreen, mask and mechanical layers (free items; w line width, h text height)
Top Overlay:
  lines w10: 631.66,707.37 631.66,737.37 ; 2496,168 2496,198 2496,504 2772,504 2802,504
  text "ACORN" at 4774,1516 h45
  text "COMPUTERS" at 4774,1438 h45
  text "ARM 600" at 4774,1366 h45
  text "32" at 2698,568 h45
  text "1" at 5998,526 h45
  text "C" at 6232,394 h45
  text "B" at 6232,304 h45
  text "A" at 6232,214 h45
  text "0279,203,S1.ISS.B" at 1666,109 h45
Board Shape:
  the board outline again, w47.24